# Altium PCB mantarray_beta2_sensor.PcbDoc (part 2 of 5)
Units mm, origin at the board's own origin, x right, y up, seen from the top; angles counter-clockwise.
Board outline 194.65 x 250 mm, 6 copper layers (Top Layer, GND1, Signal1, Int3 (Sign), AVDD, Bottom Layer), stack 1.551 mm thick; 528 components, 0 nets, 3971 pads, 590 vias.
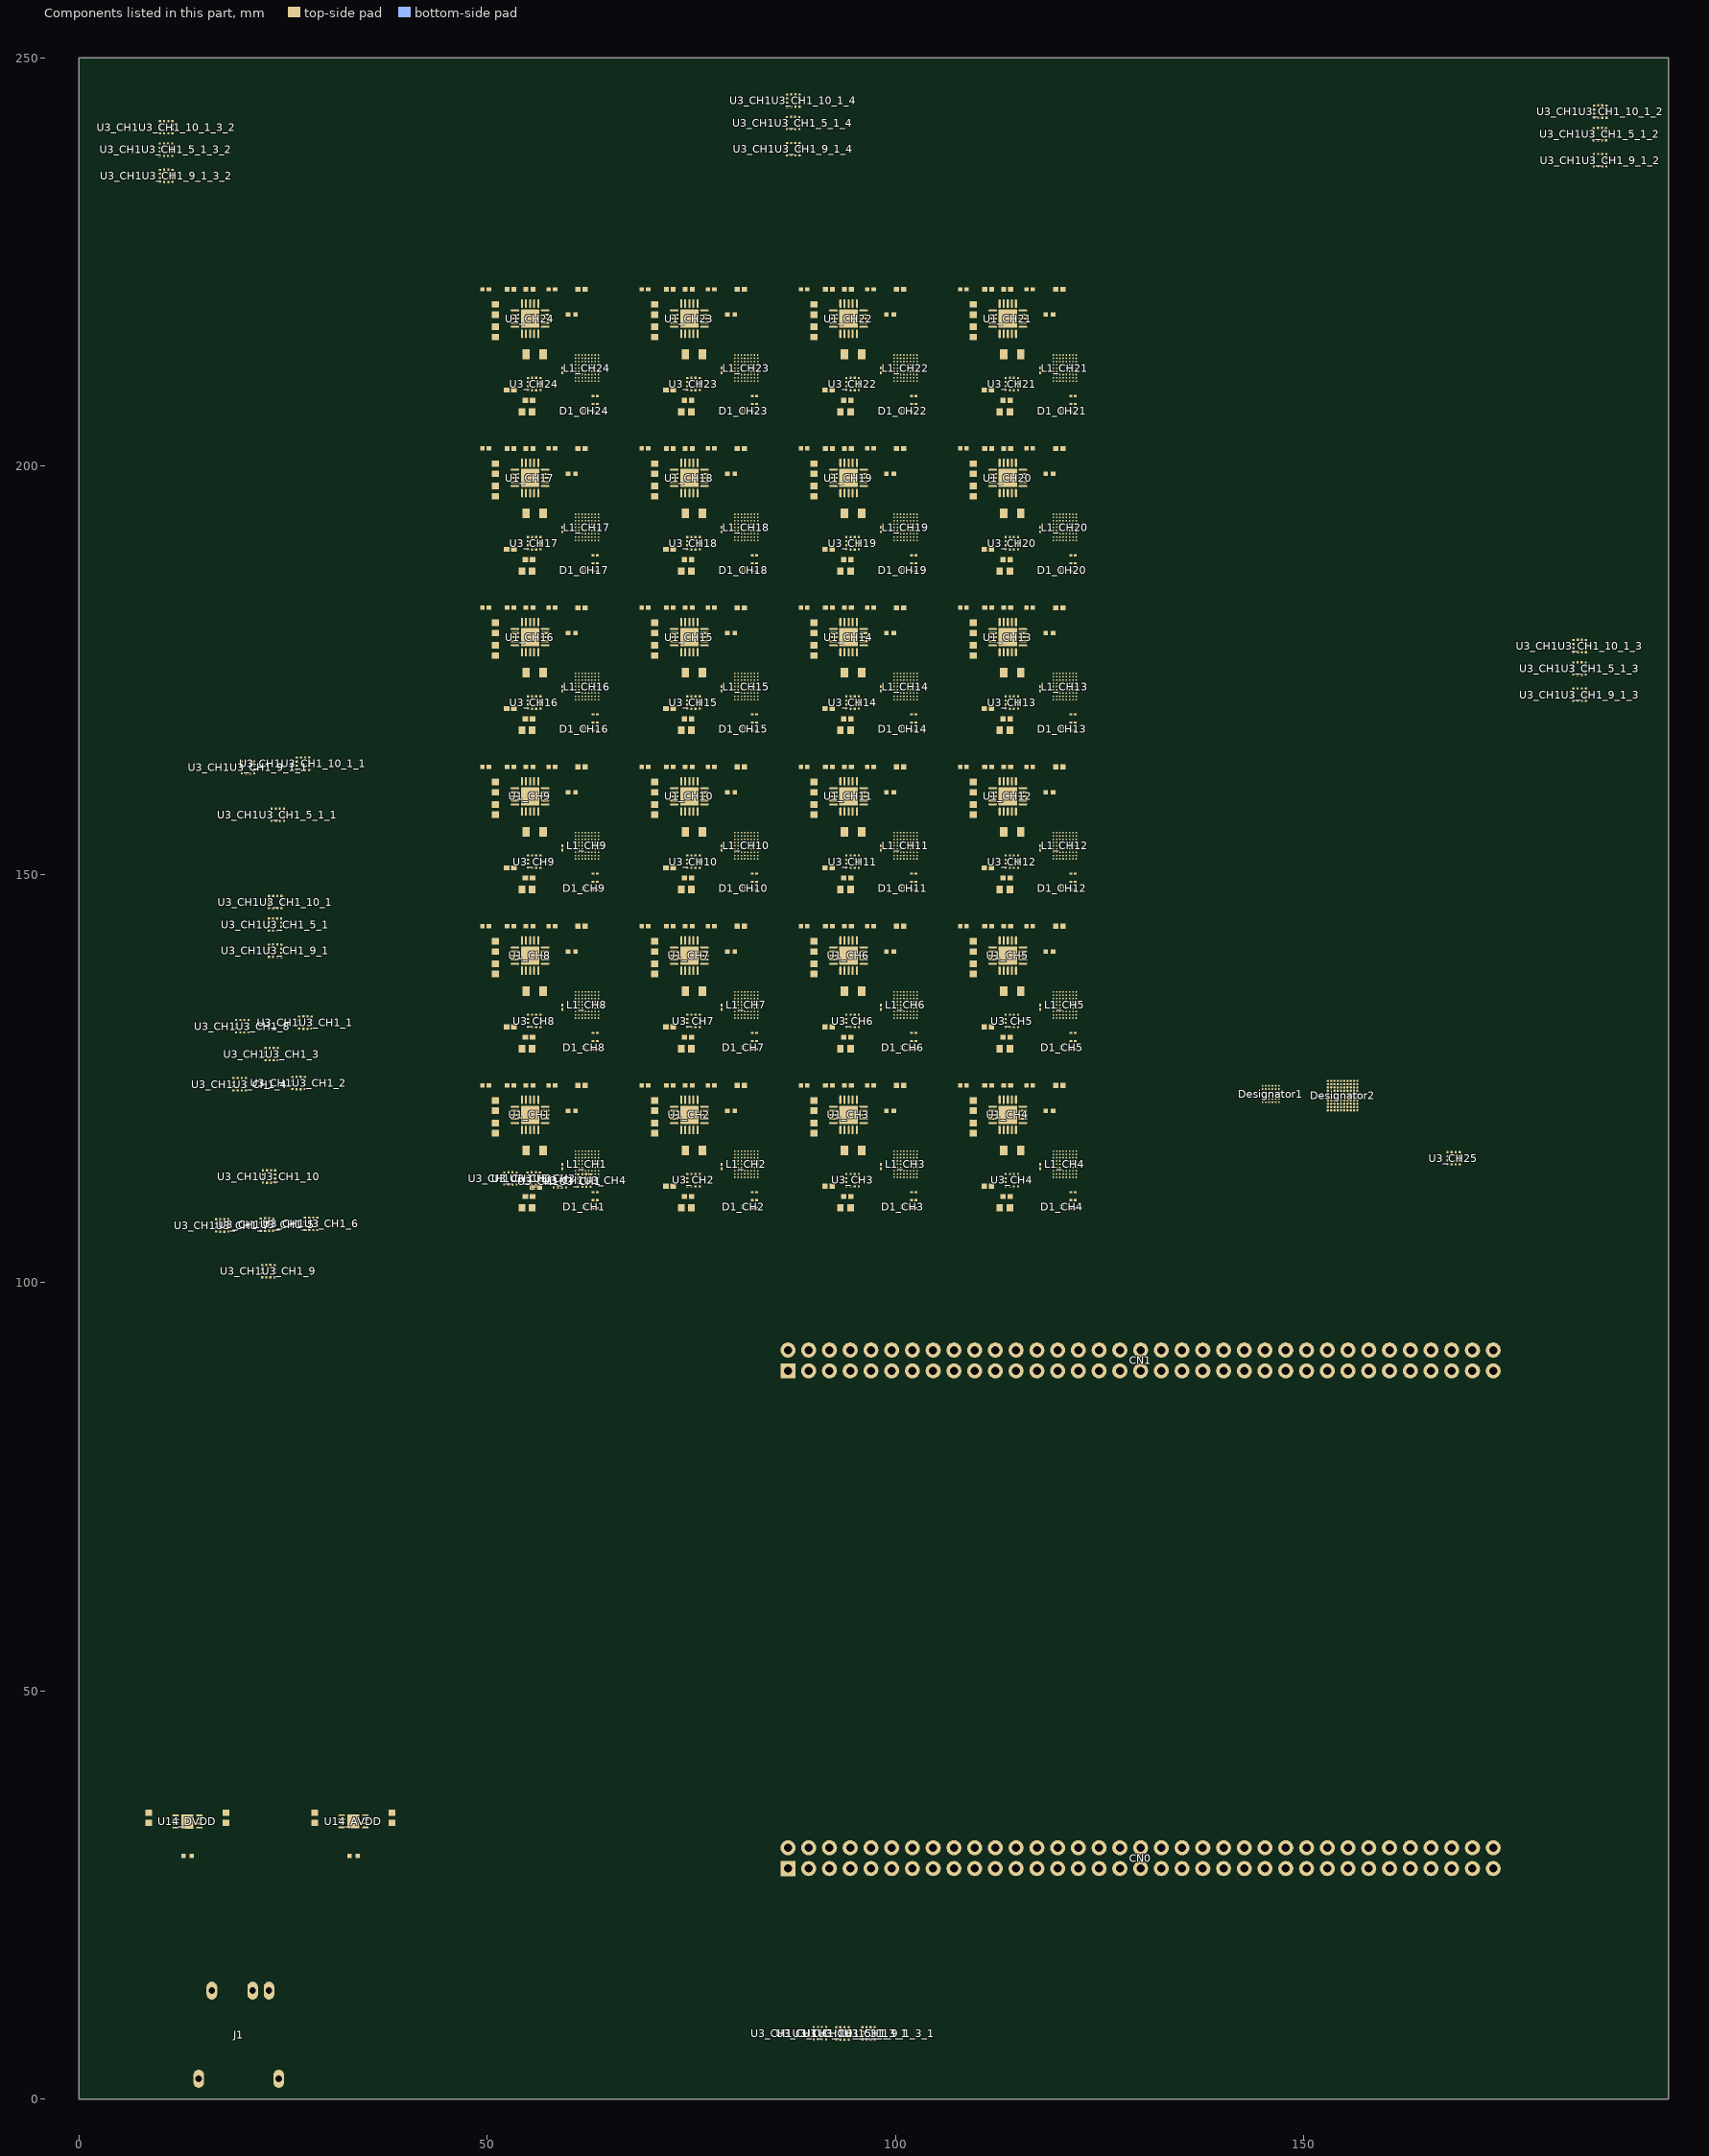
[diagram p5: the components of this part, seen from the top]

## Components (designator, comment, footprint, x,y, rotation, side; value= is the part's Value field where it differs from the comment) (continued)
R5_CH21 "ERJ1GNF1003C" RESC0603X26X15LL03T05 117.7,211.725 r90 top (schematic designator R5)
R5_CH22 "ERJ1GNF1003C" RESC0603X26X15LL03T05 98.2,211.725 r90 top (schematic designator R5)
R5_CH23 "ERJ1GNF1003C" RESC0603X26X15LL03T05 78.7,211.725 r90 top (schematic designator R5)
R5_CH24 "ERJ1GNF1003C" RESC0603X26X15LL03T05 59.2,211.725 r90 top (schematic designator R5)
R7_CH1 "CRCW0201220RFNED" RESC0603X28X15LL05T05 63.225,109.1 r0 top locked (schematic designator R7)
R7_CH2 "CRCW0201220RFNED" RESC0603X28X15LL05T05 82.725,109.1 r0 top (schematic designator R7)
R7_CH3 "CRCW0201220RFNED" RESC0603X28X15LL05T05 102.225,109.1 r0 top (schematic designator R7)
R7_CH4 "CRCW0201220RFNED" RESC0603X28X15LL05T05 121.725,109.1 r0 top (schematic designator R7)
R7_CH5 "CRCW0201220RFNED" RESC0603X28X15LL05T05 121.725,128.6 r0 top (schematic designator R7)
R7_CH6 "CRCW0201220RFNED" RESC0603X28X15LL05T05 102.225,128.6 r0 top (schematic designator R7)
R7_CH7 "CRCW0201220RFNED" RESC0603X28X15LL05T05 82.725,128.6 r0 top (schematic designator R7)
R7_CH8 "CRCW0201220RFNED" RESC0603X28X15LL05T05 63.225,128.6 r0 top (schematic designator R7)
R7_CH9 "CRCW0201220RFNED" RESC0603X28X15LL05T05 63.225,148.1 r0 top (schematic designator R7)
R7_CH10 "CRCW0201220RFNED" RESC0603X28X15LL05T05 82.725,148.1 r0 top (schematic designator R7)
R7_CH11 "CRCW0201220RFNED" RESC0603X28X15LL05T05 102.225,148.1 r0 top (schematic designator R7)
R7_CH12 "CRCW0201220RFNED" RESC0603X28X15LL05T05 121.725,148.1 r0 top (schematic designator R7)
R7_CH13 "CRCW0201220RFNED" RESC0603X28X15LL05T05 121.725,167.6 r0 top (schematic designator R7)
R7_CH14 "CRCW0201220RFNED" RESC0603X28X15LL05T05 102.225,167.6 r0 top (schematic designator R7)
R7_CH15 "CRCW0201220RFNED" RESC0603X28X15LL05T05 82.725,167.6 r0 top (schematic designator R7)
R7_CH16 "CRCW0201220RFNED" RESC0603X28X15LL05T05 63.225,167.6 r0 top (schematic designator R7)
R7_CH17 "CRCW0201220RFNED" RESC0603X28X15LL05T05 63.225,187.1 r0 top (schematic designator R7)
R7_CH18 "CRCW0201220RFNED" RESC0603X28X15LL05T05 82.725,187.1 r0 top (schematic designator R7)
R7_CH19 "CRCW0201220RFNED" RESC0603X28X15LL05T05 102.225,187.1 r0 top (schematic designator R7)
R7_CH20 "CRCW0201220RFNED" RESC0603X28X15LL05T05 121.725,187.1 r0 top (schematic designator R7)
R7_CH21 "CRCW0201220RFNED" RESC0603X28X15LL05T05 121.725,206.6 r0 top (schematic designator R7)
R7_CH22 "CRCW0201220RFNED" RESC0603X28X15LL05T05 102.225,206.6 r0 top (schematic designator R7)
R7_CH23 "CRCW0201220RFNED" RESC0603X28X15LL05T05 82.725,206.6 r0 top (schematic designator R7)
R7_CH24 "CRCW0201220RFNED" RESC0603X28X15LL05T05 63.225,206.6 r0 top (schematic designator R7)
R8_CH1 "CRCW0201100RFKED" RESC0603X28X15LL05T05 63.225,110.1 r0 top locked (schematic designator R8)
R8_CH2 "CRCW0201100RFKED" RESC0603X28X15LL05T05 82.725,110.1 r0 top (schematic designator R8)
R8_CH3 "CRCW0201100RFKED" RESC0603X28X15LL05T05 102.225,110.1 r0 top (schematic designator R8)
R8_CH4 "CRCW0201100RFKED" RESC0603X28X15LL05T05 121.725,110.1 r0 top (schematic designator R8)
R8_CH5 "CRCW0201100RFKED" RESC0603X28X15LL05T05 121.725,129.6 r0 top (schematic designator R8)
R8_CH6 "CRCW0201100RFKED" RESC0603X28X15LL05T05 102.225,129.6 r0 top (schematic designator R8)
R8_CH7 "CRCW0201100RFKED" RESC0603X28X15LL05T05 82.725,129.6 r0 top (schematic designator R8)
R8_CH8 "CRCW0201100RFKED" RESC0603X28X15LL05T05 63.225,129.6 r0 top (schematic designator R8)
R8_CH9 "CRCW0201100RFKED" RESC0603X28X15LL05T05 63.225,149.1 r0 top (schematic designator R8)
R8_CH10 "CRCW0201100RFKED" RESC0603X28X15LL05T05 82.725,149.1 r0 top (schematic designator R8)
R8_CH11 "CRCW0201100RFKED" RESC0603X28X15LL05T05 102.225,149.1 r0 top (schematic designator R8)
R8_CH12 "CRCW0201100RFKED" RESC0603X28X15LL05T05 121.725,149.1 r0 top (schematic designator R8)
R8_CH13 "CRCW0201100RFKED" RESC0603X28X15LL05T05 121.725,168.6 r0 top (schematic designator R8)
R8_CH14 "CRCW0201100RFKED" RESC0603X28X15LL05T05 102.225,168.6 r0 top (schematic designator R8)
R8_CH15 "CRCW0201100RFKED" RESC0603X28X15LL05T05 82.725,168.6 r0 top (schematic designator R8)
R8_CH16 "CRCW0201100RFKED" RESC0603X28X15LL05T05 63.225,168.6 r0 top (schematic designator R8)
R8_CH17 "CRCW0201100RFKED" RESC0603X28X15LL05T05 63.225,188.1 r0 top (schematic designator R8)
R8_CH18 "CRCW0201100RFKED" RESC0603X28X15LL05T05 82.725,188.1 r0 top (schematic designator R8)
R8_CH19 "CRCW0201100RFKED" RESC0603X28X15LL05T05 102.225,188.1 r0 top (schematic designator R8)
R8_CH20 "CRCW0201100RFKED" RESC0603X28X15LL05T05 121.725,188.1 r0 top (schematic designator R8)
R8_CH21 "CRCW0201100RFKED" RESC0603X28X15LL05T05 121.725,207.6 r0 top (schematic designator R8)
R8_CH22 "CRCW0201100RFKED" RESC0603X28X15LL05T05 102.225,207.6 r0 top (schematic designator R8)
R8_CH23 "CRCW0201100RFKED" RESC0603X28X15LL05T05 82.725,207.6 r0 top (schematic designator R8)
R8_CH24 "CRCW0201100RFKED" RESC0603X28X15LL05T05 63.225,207.6 r0 top (schematic designator R8)
R9_CH1 "CRCW0201100RFKED" RESC0603X28X15LL05T05 63.225,111.075 r0 top locked (schematic designator R9)
R9_CH2 "CRCW0201100RFKED" RESC0603X28X15LL05T05 82.725,111.075 r0 top (schematic designator R9)
R9_CH3 "CRCW0201100RFKED" RESC0603X28X15LL05T05 102.225,111.075 r0 top (schematic designator R9)
R9_CH4 "CRCW0201100RFKED" RESC0603X28X15LL05T05 121.725,111.075 r0 top (schematic designator R9)
R9_CH5 "CRCW0201100RFKED" RESC0603X28X15LL05T05 121.725,130.575 r0 top (schematic designator R9)
R9_CH6 "CRCW0201100RFKED" RESC0603X28X15LL05T05 102.225,130.575 r0 top (schematic designator R9)
R9_CH7 "CRCW0201100RFKED" RESC0603X28X15LL05T05 82.725,130.575 r0 top (schematic designator R9)
R9_CH8 "CRCW0201100RFKED" RESC0603X28X15LL05T05 63.225,130.575 r0 top (schematic designator R9)
R9_CH9 "CRCW0201100RFKED" RESC0603X28X15LL05T05 63.225,150.075 r0 top (schematic designator R9)
R9_CH10 "CRCW0201100RFKED" RESC0603X28X15LL05T05 82.725,150.075 r0 top (schematic designator R9)
R9_CH11 "CRCW0201100RFKED" RESC0603X28X15LL05T05 102.225,150.075 r0 top (schematic designator R9)
R9_CH12 "CRCW0201100RFKED" RESC0603X28X15LL05T05 121.725,150.075 r0 top (schematic designator R9)
R9_CH13 "CRCW0201100RFKED" RESC0603X28X15LL05T05 121.725,169.575 r0 top (schematic designator R9)
R9_CH14 "CRCW0201100RFKED" RESC0603X28X15LL05T05 102.225,169.575 r0 top (schematic designator R9)
R9_CH15 "CRCW0201100RFKED" RESC0603X28X15LL05T05 82.725,169.575 r0 top (schematic designator R9)
R9_CH16 "CRCW0201100RFKED" RESC0603X28X15LL05T05 63.225,169.575 r0 top (schematic designator R9)
R9_CH17 "CRCW0201100RFKED" RESC0603X28X15LL05T05 63.225,189.075 r0 top (schematic designator R9)
R9_CH18 "CRCW0201100RFKED" RESC0603X28X15LL05T05 82.725,189.075 r0 top (schematic designator R9)
R9_CH19 "CRCW0201100RFKED" RESC0603X28X15LL05T05 102.225,189.075 r0 top (schematic designator R9)
R9_CH20 "CRCW0201100RFKED" RESC0603X28X15LL05T05 121.725,189.075 r0 top (schematic designator R9)
R9_CH21 "CRCW0201100RFKED" RESC0603X28X15LL05T05 121.725,208.575 r0 top (schematic designator R9)
R9_CH22 "CRCW0201100RFKED" RESC0603X28X15LL05T05 102.225,208.575 r0 top (schematic designator R9)
R9_CH23 "CRCW0201100RFKED" RESC0603X28X15LL05T05 82.725,208.575 r0 top (schematic designator R9)
R9_CH24 "CRCW0201100RFKED" RESC0603X28X15LL05T05 63.225,208.575 r0 top (schematic designator R9)
U1_CH1 "DRV425" QFN50P400X400X80_HS-21N 55.25,120.55 r270 top locked (schematic designator U1)
U1_CH2 "DRV425" QFN50P400X400X80_HS-21N 74.75,120.55 r270 top (schematic designator U1)
U1_CH3 "DRV425" QFN50P400X400X80_HS-21N 94.25,120.55 r270 top (schematic designator U1)
U1_CH4 "DRV425" QFN50P400X400X80_HS-21N 113.75,120.55 r270 top (schematic designator U1)
U1_CH5 "DRV425" QFN50P400X400X80_HS-21N 113.75,140.05 r270 top (schematic designator U1)
U1_CH6 "DRV425" QFN50P400X400X80_HS-21N 94.25,140.05 r270 top (schematic designator U1)
U1_CH7 "DRV425" QFN50P400X400X80_HS-21N 74.75,140.05 r270 top (schematic designator U1)
U1_CH8 "DRV425" QFN50P400X400X80_HS-21N 55.25,140.05 r270 top (schematic designator U1)
U1_CH9 "DRV425" QFN50P400X400X80_HS-21N 55.25,159.55 r270 top (schematic designator U1)
U1_CH10 "DRV425" QFN50P400X400X80_HS-21N 74.75,159.55 r270 top (schematic designator U1)
U1_CH11 "DRV425" QFN50P400X400X80_HS-21N 94.25,159.55 r270 top (schematic designator U1)
U1_CH12 "DRV425" QFN50P400X400X80_HS-21N 113.75,159.55 r270 top (schematic designator U1)
U1_CH13 "DRV425" QFN50P400X400X80_HS-21N 113.75,179.05 r270 top (schematic designator U1)
U1_CH14 "DRV425" QFN50P400X400X80_HS-21N 94.25,179.05 r270 top (schematic designator U1)
U1_CH15 "DRV425" QFN50P400X400X80_HS-21N 74.75,179.05 r270 top (schematic designator U1)
U1_CH16 "DRV425" QFN50P400X400X80_HS-21N 55.25,179.05 r270 top (schematic designator U1)
U1_CH17 "DRV425" QFN50P400X400X80_HS-21N 55.25,198.55 r270 top (schematic designator U1)
U1_CH18 "DRV425" QFN50P400X400X80_HS-21N 74.75,198.55 r270 top (schematic designator U1)
U1_CH19 "DRV425" QFN50P400X400X80_HS-21N 94.25,198.55 r270 top (schematic designator U1)
U1_CH20 "DRV425" QFN50P400X400X80_HS-21N 113.75,198.55 r270 top (schematic designator U1)
U1_CH21 "DRV425" QFN50P400X400X80_HS-21N 113.75,218.05 r270 top (schematic designator U1)
U1_CH22 "DRV425" QFN50P400X400X80_HS-21N 94.25,218.05 r270 top (schematic designator U1)
U1_CH23 "DRV425" QFN50P400X400X80_HS-21N 74.75,218.05 r270 top (schematic designator U1)
U1_CH24 "DRV425" QFN50P400X400X80_HS-21N 55.25,218.05 r270 top (schematic designator U1)
U3_CH1U3_CH1 "LIS3MDLTR" STM-LGA-12 58.899,112.4 r0 top locked (schematic designator U3)
U3_CH1U3_CH1_1 "LIS3MDLTR" STM-LGA-12 27.75,131.85 r0 top (schematic designator U3)
U3_CH1U3_CH1_2 "LIS3MDLTR" STM-LGA-12 26.9,124.437 r0 top (schematic designator U3)
U3_CH1U3_CH1_3 "LIS3MDLTR" STM-LGA-12 23.6,127.987 r0 top (schematic designator U3)
U3_CH1U3_CH1_4 "LIS3MDLTR" STM-LGA-12 19.7,124.287 r0 top (schematic designator U3)
U3_CH1U3_CH1_5 "LIS3MDLTR" STM-LGA-12 23.05,107.1 r0 top (schematic designator U3)
U3_CH1U3_CH1_5_1 "LIS3MDLTR" STM-LGA-12 24.012,143.85 r0 top (schematic designator U3)
U3_CH1U3_CH1_5_1_1 "LIS3MDLTR" STM-LGA-12 24.35,157.3 r0 top (schematic designator U3)
U3_CH1U3_CH1_5_1_2 "LIS3MDLTR" STM-LGA-12 186.263,240.65 r0 top (schematic designator U3)
U3_CH1U3_CH1_5_1_3 "LIS3MDLTR" STM-LGA-12 183.762,175.2 r0 top (schematic designator U3)
U3_CH1U3_CH1_5_1_3_1 "LIS3MDLTR" STM-LGA-12 93.5,8.036 r90 top (schematic designator U3)
U3_CH1U3_CH1_5_1_3_2 "LIS3MDLTR" STM-LGA-12 10.663,238.75 r0 top (schematic designator U3)
U3_CH1U3_CH1_5_1_4 "LIS3MDLTR" STM-LGA-12 87.45,242.012 r0 top (schematic designator U3)
U3_CH1U3_CH1_6 "LIS3MDLTR" STM-LGA-12 28.45,107.2 r0 top (schematic designator U3)
U3_CH1U3_CH1_7 "LIS3MDLTR" STM-LGA-12 17.55,107 r0 top (schematic designator U3)
U3_CH1U3_CH1_8 "LIS3MDLTR" STM-LGA-12 20.012,131.4 r0 top (schematic designator U3)
U3_CH1U3_CH1_9 "LIS3MDLTR" STM-LGA-12 23.2,101.4 r0 top (schematic designator U3)
U3_CH1U3_CH1_9_1 "LIS3MDLTR" STM-LGA-12 24.038,140.65 r0 top (schematic designator U3)
U3_CH1U3_CH1_9_1_1 "LIS3MDLTR" STM-LGA-12 20.712,163.1 r0 top (schematic designator U3)
U3_CH1U3_CH1_9_1_2 "LIS3MDLTR" STM-LGA-12 186.288,237.45 r0 top (schematic designator U3)
U3_CH1U3_CH1_9_1_3 "LIS3MDLTR" STM-LGA-12 183.787,172 r0 top (schematic designator U3)
U3_CH1U3_CH1_9_1_3_1 "LIS3MDLTR" STM-LGA-12 96.7,8.061 r90 top (schematic designator U3)
U3_CH1U3_CH1_9_1_3_2 "LIS3MDLTR" STM-LGA-12 10.688,235.55 r0 top (schematic designator U3)
U3_CH1U3_CH1_9_1_4 "LIS3MDLTR" STM-LGA-12 87.475,238.812 r0 top (schematic designator U3)
U3_CH1U3_CH1_10 "LIS3MDLTR" STM-LGA-12 23.287,113 r0 top (schematic designator U3)
U3_CH1U3_CH1_10_1 "LIS3MDLTR" STM-LGA-12 24.05,146.6 r0 top (schematic designator U3)
U3_CH1U3_CH1_10_1_1 "LIS3MDLTR" STM-LGA-12 27.45,163.55 r0 top (schematic designator U3)
U3_CH1U3_CH1_10_1_2 "LIS3MDLTR" STM-LGA-12 186.3,243.4 r0 top (schematic designator U3)
U3_CH1U3_CH1_10_1_3 "LIS3MDLTR" STM-LGA-12 183.8,177.95 r0 top (schematic designator U3)
U3_CH1U3_CH1_10_1_3_1 "LIS3MDLTR" STM-LGA-12 90.75,8.073 r90 top (schematic designator U3)
U3_CH1U3_CH1_10_1_3_2 "LIS3MDLTR" STM-LGA-12 10.7,241.5 r0 top (schematic designator U3)
U3_CH1U3_CH1_10_1_4 "LIS3MDLTR" STM-LGA-12 87.488,244.763 r0 top (schematic designator U3)
U3_CH1U3_CH2 "LIS3MDLTR" STM-LGA-12 55.699,112.75 r0 top locked (schematic designator U3)
U3_CH1U3_CH3 "LIS3MDLTR" STM-LGA-12 52.849,112.75 r0 top locked (schematic designator U3)
U3_CH1U3_CH4 "LIS3MDLTR" STM-LGA-12 61.899,112.5 r0 top locked (schematic designator U3)
U3_CH2 "LIS3MDLTR" STM-LGA-12 75.249,112.55 r0 top (schematic designator U3)
U3_CH3 "LIS3MDLTR" STM-LGA-12 94.749,112.55 r0 top (schematic designator U3)
U3_CH4 "LIS3MDLTR" STM-LGA-12 114.249,112.55 r0 top (schematic designator U3)
U3_CH5 "LIS3MDLTR" STM-LGA-12 114.249,132.05 r0 top (schematic designator U3)
U3_CH6 "LIS3MDLTR" STM-LGA-12 94.749,132.05 r0 top (schematic designator U3)
U3_CH7 "LIS3MDLTR" STM-LGA-12 75.249,132.05 r0 top (schematic designator U3)
U3_CH8 "LIS3MDLTR" STM-LGA-12 55.749,132.05 r0 top (schematic designator U3)
U3_CH9 "LIS3MDLTR" STM-LGA-12 55.749,151.55 r0 top (schematic designator U3)
U3_CH10 "LIS3MDLTR" STM-LGA-12 75.249,151.55 r0 top (schematic designator U3)
U3_CH11 "LIS3MDLTR" STM-LGA-12 94.749,151.55 r0 top (schematic designator U3)
U3_CH12 "LIS3MDLTR" STM-LGA-12 114.249,151.55 r0 top (schematic designator U3)
U3_CH13 "LIS3MDLTR" STM-LGA-12 114.249,171.05 r0 top (schematic designator U3)
U3_CH14 "LIS3MDLTR" STM-LGA-12 94.749,171.05 r0 top (schematic designator U3)
U3_CH15 "LIS3MDLTR" STM-LGA-12 75.249,171.05 r0 top (schematic designator U3)
U3_CH16 "LIS3MDLTR" STM-LGA-12 55.749,171.05 r0 top (schematic designator U3)
U3_CH17 "LIS3MDLTR" STM-LGA-12 55.749,190.55 r0 top (schematic designator U3)
U3_CH18 "LIS3MDLTR" STM-LGA-12 75.249,190.55 r0 top (schematic designator U3)
U3_CH19 "LIS3MDLTR" STM-LGA-12 94.749,190.55 r0 top (schematic designator U3)
U3_CH20 "LIS3MDLTR" STM-LGA-12 114.249,190.55 r0 top (schematic designator U3)
U3_CH21 "LIS3MDLTR" STM-LGA-12 114.249,210.05 r0 top (schematic designator U3)
U3_CH22 "LIS3MDLTR" STM-LGA-12 94.749,210.05 r0 top (schematic designator U3)
U3_CH23 "LIS3MDLTR" STM-LGA-12 75.249,210.05 r0 top (schematic designator U3)
U3_CH24 "LIS3MDLTR" STM-LGA-12 55.749,210.05 r0 top (schematic designator U3)
U3_CH25 "LIS3MDLTR" STM-LGA-12 168.35,115.237 r0 top (schematic designator U3)
U14_AVDD "ADP1706ACPZ-3.3-R7" ADI-CP-8-2_L 33.625,34.025 r0 top (schematic designator U14)
U14_DVDD "ADP1706ACPZ-3.3-R7" ADI-CP-8-2_L 13.299,34 r0 top (schematic designator U14)

## Footprints (in the part's own frame and the unit in brackets; to place one, negate y for a bottom-side part, rotate by r counter-clockwise, add the part's x,y. Pads: shape width x height; smd on the part's side, far side on the other; paste and mask are expansions set on the pad)
4-SMD [mm] "4-lead package for SMD LED"
  rect 0.2x0.2 smd: 1(-0.175,-0.175) 2(-0.175,0.175) 3(0.175,0.175) 4(0.175,-0.175)
  silkscreen extent -0.65,-0.2 -0.6,-0.15, body extent -0.33,-0.33 0.33,0.33, height 0.2
ADI-CP-8-2_L [mm] "QFN, 8-Leads, Body 3x3mm, Pitch 0.5mm, Thermal Pad 1.45X1.74mm, IPC High Density"
  oval 0.8x0.2 smd: 1(-1.45,0.75) 2(-1.45,0.25) 3(-1.45,-0.25) 4(-1.45,-0.75) 5(1.45,-0.75) 6(1.45,-0.25) 7(1.45,0.25) 8(1.45,0.75)
  rect 1.45x1.74 smd: 9(0,0)
  silkscreen extent -2.55,-1.78 1.78,1.78, body extent -1.63,-1.63 1.63,1.63, height 0.9
CAPC1005X55X25LL05T10 [mm] "Chip Capacitor, 2-Leads, Body 1.00x0.50mm, IPC High Density"
  rect 0.56x0.52 smd: 1(-0.39,0) 2(0.39,0)
  body extent -0.53,-0.28 0.53,0.28, height 0.55
CAPC1005X55X25NL05T10 [mm] "Chip Capacitor, 2-Leads, Body 1.05x0.55mm, IPC Medium Density"
  rect 0.66x0.62 smd: 1(-0.44,0) 2(0.44,0)
  body extent -0.53,-0.28 0.53,0.28, height 0.55
CAPC1608X87X35LL15T15 [mm] "Chip Capacitor, 2-Leads, Body 1.60x0.80mm, IPC High Density"
  rect 0.8x0.9 smd: 1(-0.625,0) 2(0.625,0)
  body extent -0.87,-0.48 0.87,0.48, height 0.87
CAPC1608X90X35LL10T15 [mm] "Chip Capacitor, 2-Leads, Body 1.60x0.80mm, IPC High Density"
  rect 0.75x0.85 smd: 1(-0.625,0) 2(0.625,0)
  body extent -0.85,-0.45 0.85,0.45, height 0.9
CON_SAMTEC_TSW-135-07-X-D [mm] "Header, 35x2, 2,54mm, VR, TH, Height 5.84mm/2.54mm"
  rect 1.85x1.85 / inner round 1.85 / far side rect 1.85x1.85 hole 1 mask+0.05: 1(0,0)
  round 1.85 hole 1 mask+0.05: 2(0,2.54) 3(2.54,0) 4(2.54,2.54) 5(5.08,0) 6(5.08,2.54) 7(7.62,0) 8(7.62,2.54) 9(10.16,0) 10(10.16,2.54) 11(12.7,0) 12(12.7,2.54) 13(15.24,0) 14(15.24,2.54) 15(17.78,0) 16(17.78,2.54) 17(20.32,0) 18(20.32,2.54) 19(22.86,0) 20(22.86,2.54) 21(25.4,0) 22(25.4,2.54) 23(27.94,0) 24(27.94,2.54) 25(30.48,0) 26(30.48,2.54) 27(33.02,0) 28(33.02,2.54) 29(35.56,0) 30(35.56,2.54) 31(38.1,0) 32(38.1,2.54) 33(40.64,0) 34(40.64,2.54) 35(43.18,0) 36(43.18,2.54) 37(45.72,0) 38(45.72,2.54) 39(48.26,0) 40(48.26,2.54) 41(50.8,0) 42(50.8,2.54) 43(53.34,0) 44(53.34,2.54) 45(55.88,0) 46(55.88,2.54) 47(58.42,0) 48(58.42,2.54) 49(60.96,0) 50(60.96,2.54) 51(63.5,0) 52(63.5,2.54) 53(66.04,0) 54(66.04,2.54) 55(68.58,0) 56(68.58,2.54) 57(71.12,0) 58(71.12,2.54) 59(73.66,0) 60(73.66,2.54) 61(76.2,0) 62(76.2,2.54) 63(78.74,0) 64(78.74,2.54) 65(81.28,0) 66(81.28,2.54) 67(83.82,0) 68(83.82,2.54) 69(86.36,0) 70(86.36,2.54)
  silkscreen extent -1.27,-1.27 87.63,3.81, body extent -1.27,-1.27 87.63,3.81, height 8.38
FP-CC0402-MFG [mm]
  rect 0.5x0.5 smd paste+0 mask+0: 1(-0.5,0) 2(0.5,0)
  silkscreen extent -0.53,-0.68 0.53,0.67, body extent -0.87,-0.48 0.87,0.48, height 0.25
FP-RT0805-MFG [mm]
  rect 0.9x1.2 smd paste+0 mask+0: 1(-1.05,0) 2(1.05,0)
  silkscreen extent -0.23,-0.67 0.23,0.67, body extent -1.6,-0.77 1.6,0.77, height 0.25
PJ-001AH-67 [mm]
  oval 2.2x1.3 hole 0.8 slot 1.7 at 0 deg: 1(0,0) 2(0,-7) 3(0,-5) ""(-10.8,-8.2) ""(-10.8,1.6)
  silkscreen extent -13.3,-8.2 -1.6,1.6, body extent -16.65,-8.4 0.65,2.25, height 8.2
QFN50P400X400X80_HS-21N [mm] "QFN, 20-Leads, Body 4.00x4.00mm, Pitch 0.50mm, Thermal Pad 2.25x2.25mm, IPC Medium Density"
  oval 1.05x0.25 smd: 1(-1.85,1) 2(-1.85,0.5) 3(-1.85,0) 4(-1.85,-0.5) 5(-1.85,-1) 11(1.85,-1) 12(1.85,-0.5) 13(1.85,0) 14(1.85,0.5) 15(1.85,1)
  oval 0.25x1.05 smd: 6(-1,-1.85) 7(-0.5,-1.85) 8(0,-1.85) 9(0.5,-1.85) 10(1,-1.85) 16(1,1.85) 17(0.5,1.85) 18(0,1.85) 19(-0.5,1.85) 20(-1,1.85)
  rect 2.25x2.25 smd: 21(0,0)
  silkscreen extent -3,-2.23 2.23,2.22, body extent -2.07,-2.08 2.08,2.07, height 0.8
RESC0603X26X15LL03T05 [mm] "Chip Resistor, 2-Leads, Body 0.60x0.30mm, IPC High Density"
  rect 0.35x0.25 smd: 1(-0.275,0) 2(0.275,0)
  body extent -0.32,-0.16 0.31,0.17, height 0.26
RESC0603X28X15LL05T05 [mm] "Chip Resistor, 2-Leads, Body 0.60x0.30mm, IPC High Density"
  rect 0.35x0.25 smd: 1(-0.275,0) 2(0.275,0)
  body extent -0.33,-0.17 0.32,0.18, height 0.28
RESC1005X40X25NL05T05 [mm] "Chip Resistor, 2-Leads, Body 1.00x0.50mm, IPC Medium Density"
  rect 0.55x0.55 smd: 1(-0.45,0) 2(0.45,0)
  body extent -0.53,-0.27 0.53,0.28, height 0.4
RESC1005X40X25NL05T10 [mm] "Chip Resistor, 2-Leads, Body 1.00x0.50mm, IPC Medium Density"
  rect 0.6x0.55 smd: 1(-0.425,0) 2(0.425,0)
  body extent -0.53,-0.27 0.53,0.28, height 0.4
STM-LGA-12 [mm] "LGA, 12-Leads, Body 2x2mm, Pitch 0.5mm"
  rect 0.275x0.25 smd: 1(-0.763,0.75) 2(-0.763,0.25) 3(-0.763,-0.25) 4(-0.763,-0.75) 7(0.763,-0.75) 8(0.763,-0.25) 9(0.763,0.25) 10(0.763,0.75)
  rect 0.25x0.275 smd: 5(-0.25,-0.762) 6(0.25,-0.762) 11(0.25,0.763) 12(-0.25,0.763)
  silkscreen extent -1.45,1.2 -1.2,1.45, body extent -1,-1 1,1, height 1
STM-WLCSP66 [mm] "BGA, 66-Balls, Body 4.23x3.77mm, Pitch 0.4mm"
  round 0.2 smd: A1(-1.4,1.6) A2(-1,1.6) A3(-0.6,1.6) A4(-0.2,1.6) A5(0.2,1.6) A6(0.6,1.6) A7(1,1.6) A8(1.4,1.6) B1(-1.4,1.2) B2(-1,1.2) B3(-0.6,1.2) B4(-0.2,1.2) B5(0.2,1.2) B6(0.6,1.2) B7(1,1.2) B8(1.4,1.2) C1(-1.4,0.8) C2(-1,0.8) C3(-0.6,0.8) C4(-0.2,0.8) C5(0.2,0.8) C6(0.6,0.8) C7(1,0.8) C8(1.4,0.8) D1(-1.4,0.4) D2(-1,0.4) D3(-0.6,0.4) D6(0.6,0.4) D7(1,0.4) D8(1.4,0.4) E1(-1.4,0) E2(-1,0) E3(-0.6,0) E6(0.6,0) E7(1,0) E8(1.4,0) F1(-1.4,-0.4) F2(-1,-0.4) F3(-0.6,-0.4) F6(0.6,-0.4) F7(1,-0.4) F8(1.4,-0.4) G1(-1.4,-0.8) G2(-1,-0.8) G3(-0.6,-0.8) G4(-0.2,-0.8) G5(0.2,-0.8) G6(0.6,-0.8) G7(1,-0.8) G8(1.4,-0.8) H1(-1.4,-1.2) H2(-1,-1.2) H3(-0.6,-1.2) H4(-0.2,-1.2) H5(0.2,-1.2) H6(0.6,-1.2) H7(1,-1.2) H8(1.4,-1.2) J1(-1.4,-1.6) J2(-1,-1.6) J3(-0.6,-1.6) J4(-0.2,-1.6) J5(0.2,-1.6) J6(0.6,-1.6) J7(1,-1.6) J8(1.4,-1.6)
  silkscreen extent -2.65,-2.12 1.88,2.12, body extent -1.89,-2.11 1.89,2.11, height 0.6
WLCSP36L_DIE417 [mm]
  round 0.224 smd paste-0.112 mask-0.114: A1(-1,1) A2(-0.6,1) A3(-0.2,1) A4(0.2,1) A5(0.6,1) A6(1,1) B1(-1,0.6) B2(-0.6,0.6) B3(-0.2,0.6) B4(0.2,0.6) B5(0.6,0.6) B6(1,0.6) C1(-1,0.2) C2(-0.6,0.2) C3(-0.2,0.2) C4(0.2,0.2) C5(0.6,0.2) C6(1,0.2) D1(-1,-0.2) D2(-0.6,-0.2) D3(-0.2,-0.2) D4(0.2,-0.2) D5(0.6,-0.2) D6(1,-0.2) E1(-1,-0.6) E2(-0.6,-0.6) E3(-0.2,-0.6) E4(0.2,-0.6) E5(0.6,-0.6) E6(1,-0.6) F1(-1,-1) F2(-0.6,-1) F3(-0.2,-1) F4(0.2,-1) F5(0.6,-1) F6(1,-1)
  Keep-Out Layer region: -1.645,-1.645 -1.645,1.645 1.645,1.645 1.645,-1.645
  silkscreen extent -1.57,-1.7 1.57,1.7, body extent 0,0 0.25,0.25, height 0.25
WLCSP100 [mm]
  round 0.28 smd paste+0 mask+0: A1(-1.8,1.8) A2(-1.4,1.8) A3(-1,1.8) A4(-0.6,1.8) A5(-0.2,1.8) A6(0.2,1.8) A7(0.6,1.8) A8(1,1.8) A9(1.4,1.8) A10(1.8,1.8) B1(-1.8,1.4) B2(-1.4,1.4) B3(-1,1.4) B4(-0.6,1.4) B5(-0.2,1.4) B6(0.2,1.4) B7(0.6,1.4) B8(1,1.4) B9(1.4,1.4) B10(1.8,1.4) C1(-1.8,1) C2(-1.4,1) C3(-1,1) C4(-0.6,1) C5(-0.2,1) C6(0.2,1) C7(0.6,1) C8(1,1) C9(1.4,1) C10(1.8,1) D1(-1.8,0.6) D2(-1.4,0.6) D3(-1,0.6) D4(-0.6,0.6) D5(-0.2,0.6) D6(0.2,0.6) D7(0.6,0.6) D8(1,0.6) D9(1.4,0.6) D10(1.8,0.6) E1(-1.8,0.2) E2(-1.4,0.2) E3(-1,0.2) E4(-0.6,0.2) E5(-0.2,0.2) E6(0.2,0.2) E7(0.6,0.2) E8(1,0.2) E9(1.4,0.2) E10(1.8,0.2) F1(-1.8,-0.2) F2(-1.4,-0.2) F3(-1,-0.2) F4(-0.6,-0.2) F5(-0.2,-0.2) F6(0.2,-0.2) F7(0.6,-0.2) F8(1,-0.2) F9(1.4,-0.2) F10(1.8,-0.2) G1(-1.8,-0.6) G2(-1.4,-0.6) G3(-1,-0.6) G4(-0.6,-0.6) G5(-0.2,-0.6) G6(0.2,-0.6) G7(0.6,-0.6) G8(1,-0.6) G9(1.4,-0.6) G10(1.8,-0.6) H1(-1.8,-1) H2(-1.4,-1) H3(-1,-1) H4(-0.6,-1) H5(-0.2,-1) H6(0.2,-1) H7(0.6,-1) H8(1,-1) H9(1.4,-1) H10(1.8,-1) J1(-1.8,-1.4) J2(-1.4,-1.4) J3(-1,-1.4) J4(-0.6,-1.4) J5(-0.2,-1.4) J6(0.2,-1.4) J7(0.6,-1.4) J8(1,-1.4) J9(1.4,-1.4) J10(1.8,-1.4) K1(-1.8,-1.8) K2(-1.4,-1.8) K3(-1,-1.8) K4(-0.6,-1.8) K5(-0.2,-1.8) K6(0.2,-1.8) K7(0.6,-1.8) K8(1,-1.8) K9(1.4,-1.8) K10(1.8,-1.8)
  Keep-Out Layer region: -2.445,-2.445 -2.445,2.445 2.445,2.445 2.445,-2.445
  silkscreen extent -2.58,-2.22 2.58,2.22, body extent 0,0 0.25,0.25, height 0.25

## Part data
C1_CH1 C1_CH2 C1_CH3 C1_CH4 C1_CH5 C1_CH6 C1_CH7 C1_CH8 C1_CH9 C1_CH10 C1_CH11 C1_CH12 C1_CH13 C1_CH14 C1_CH15 C1_CH16 C1_CH17 C1_CH18 C1_CH19 C1_CH20 C1_CH21 C1_CH22 C1_CH23 C1_CH24 C3_CH1 C3_CH2 C3_CH3 C3_CH4 C3_CH5 C3_CH6 C3_CH7 C3_CH8 C3_CH9 C3_CH10 C3_CH11 C3_CH12 C3_CH13 C3_CH14 C3_CH15 C3_CH16 C3_CH17 C3_CH18 C3_CH19 C3_CH20 C3_CH21 C3_CH22 C3_CH23 C3_CH24: library part CMP-2008-04598-1, Manufacturer=Murata, Part Number=GRM155R71C103KA01J
C2_CH1 C2_CH2 C2_CH3 C2_CH4 C2_CH5 C2_CH6 C2_CH7 C2_CH8 C2_CH9 C2_CH10 C2_CH11 C2_CH12 C2_CH13 C2_CH14 C2_CH15 C2_CH16 C2_CH17 C2_CH18 C2_CH19 C2_CH20 C2_CH21 C2_CH22 C2_CH23 C2_CH24 C7_CH1 C7_CH2 C7_CH3 C7_CH4 C7_CH5 C7_CH6 C7_CH7 C7_CH8 C7_CH9 C7_CH10 C7_CH11 C7_CH12 C7_CH13 C7_CH14 C7_CH15 C7_CH16 C7_CH17 C7_CH18 C7_CH19 C7_CH20 C7_CH21 C7_CH22 C7_CH23 C7_CH24 C8_CH1 C8_CH2 C8_CH3 C8_CH4 C8_CH5 C8_CH6 C8_CH7 C8_CH8 C8_CH9 C8_CH10 C8_CH11 C8_CH12 C8_CH13 C8_CH14 C8_CH15 C8_CH16 C8_CH17 C8_CH18 C8_CH19 C8_CH20 C8_CH21 C8_CH22 C8_CH23 C8_CH24: library part CMP-2100-03641-1, "Chip Capacitor, 0.1 uF, +/- 10%, 16 V, -55 to 125 degC, 0402 (1005 Metric), RoHS, Tape and Reel", Capacitance=100nF, Case Code (Imperial)=0402, Case Code (Metric)=1005, Dielectric=X7R, Dielectric Material=Ceramic, Insulation Resistance=10GR, Manufacturer=Murata, Max Operating Temperature=125degC, Min Operating Temperature=-55degC, Package Description="2-Pin Surface Mount Device, Body 1 x 0.5 mm", Package Quantity=1, Tolerance=10%, Voltage=16V, Case/Package=0402, Datasheet URL=http://psearch.en.murata.com/capacitor/product/GRM155R71C104KA88%23.pdf, Datasheet Version=42675.0, Depth=0.5mm, Height=0.5mm, Lead Free=LeadFree, Length=1mm, Manufacturer URL=http://www.murata.com/, Material=Ceramic, Mount=SurfaceMount, Number of Pins=2, Package Reference=0402, Packaging=TapeandReel, Radiation Hardening=No, REACH SVHC=NoSVHC, RoHSCompliant=true, Termination=SMD/SMT, Thickness=0.022inch, Voltage Rating=16V, Voltage Rating (DC)=16V, Width=0.5mm
C4_CH1 C4_CH2 C4_CH3 C4_CH4 C4_CH5 C4_CH6 C4_CH7 C4_CH8 C4_CH9 C4_CH10 C4_CH11 C4_CH12 C4_CH13 C4_CH14 C4_CH15 C4_CH16 C4_CH17 C4_CH18 C4_CH19 C4_CH20 C4_CH21 C4_CH22 C4_CH23 C4_CH24 C5_CH1 C5_CH2 C5_CH3 C5_CH4 C5_CH5 C5_CH6 C5_CH7 C5_CH8 C5_CH9 C5_CH10 C5_CH11 C5_CH12 C5_CH13 C5_CH14 C5_CH15 C5_CH16 C5_CH17 C5_CH18 C5_CH19 C5_CH20 C5_CH21 C5_CH22 C5_CH23 C5_CH24 C6_CH1 C6_CH2 C6_CH3 C6_CH4 C6_CH5 C6_CH6 C6_CH7 C6_CH8 C6_CH9 C6_CH10 C6_CH11 C6_CH12 C6_CH13 C6_CH14 C6_CH15 C6_CH16 C6_CH17 C6_CH18 C6_CH19 C6_CH20 C6_CH21 C6_CH22 C6_CH23 C6_CH24: library part CMP-2006-03713-1, Manufacturer=Kemet, Part Number=C0603C105K3RACTU
C71_AVDD C71_DVDD C72_AVDD C72_DVDD: library part CMP-2006-02523-1, Manufacturer=Murata, Part Number=GRM188R61E475KE11D
C73_AVDD C73_DVDD: library part CMP-03422-000501-1, "CAP CER 10000PF 16V X7R 0402", Capacitance="10 nF", Manufacturer=YAGEO, Package=CC0402, Temperature="-55°C to +125°C", Temperature Characteristic=X7R, Temperature Coefficient=30ppm/°C, Temperature Range High=+125°C, Temperature Range Low=-55°C, Tolerance=0.1, Voltage Rating="16 V", Automotive=No, Automotive Grade=NA, Category=Cap, ComponentLink2Description=Datasheet, ComponentLink2URL=http://www.yageo.com/documents/recent/UPY-GP_NP0_16V-to-50V_16.pdf, Device Class L1="Passive Components", Device Class L2=Capacitors, Device Class L3="Ceramic Capacitors", Digikey Description="CAP CER 10000PF 16V X7R 0402", Footprint Url=http://www.yageo.com/exep/pages/download/literatures/UPY-C_GEN_24.pdf, Height=0.55mm, Ipc Land Pattern Name=CAPC10050X50, Lead Free=Yes, Manufacturer Part Number=CC0402KRX7R7BB103, Material=Ceramic, Mouser Description="0402 10 nF 16 V ±10 % Tolerance X7R SMT Multilayer Ceramic Capacitor", Octopart=https://octopart.com/cc0402krx7r7bb103-yageo-192895, RoHS=TRUE
CN0 CN1: library part MCD-01210, "Header, 35x2, 2,54mm, VR, TH, Height 5.84mm/2.54mm"
D1_CH1 D1_CH2 D1_CH3 D1_CH4 D1_CH5 D1_CH6 D1_CH7 D1_CH8 D1_CH9 D1_CH10 D1_CH11 D1_CH12 D1_CH13 D1_CH14 D1_CH15 D1_CH16 D1_CH17 D1_CH18 D1_CH19 D1_CH20 D1_CH21 D1_CH22 D1_CH23 D1_CH24: "0.65x0.65x0.20mm (0202) Full-Color Surface Mount LED"
J1: "IP67 waterproof DC Power Jack"
L1_CH1 L1_CH2 L1_CH3 L1_CH4 L1_CH5 L1_CH6 L1_CH7 L1_CH8 L1_CH9 L1_CH10 L1_CH11 L1_CH12 L1_CH13 L1_CH14 L1_CH15 L1_CH16 L1_CH17 L1_CH18 L1_CH19 L1_CH20 L1_CH21 L1_CH22 L1_CH23 L1_CH24: library part CMP-0537-00090-1, "ARM Cortex-M4 32-bit MCU, 256 KB Flash, 32 KB Internal RAM, 52 I/Os, 66-Pin WLCSP, -40 to 85 degC, Tape and Reel", I/Os (High Current)=52, Operating Frequency(F) (Processor speed) (MHz)=72, Package Description="66-Ball Wafer Level Chip Size package, 3.767 x 4.229 mm Body, 0.4 mm Pitch", Package Reference=WLCSP66, Supply Voltage(Vcc) min (V)=1.65, ComponentLink1Description="Manufacturer URL", ComponentLink1URL=http://www.st.com/, ComponentLink2Description=Datasheet, ComponentLink2URL=http://www.st.com/st-web-ui/static/active/en/resource/technical/document/datasheet/DM00101621.pdf, Core="ARM Cortex-M4", D/A Converter=3, DatasheetVersion="Rev. 4", FLASH Size (Prog) (kB)=256, Internal RAM Size (kB)=32, Mounting Technology="Surface Mount", Packing="Tape and Reel"
R1_CH1 R1_CH2 R1_CH3 R1_CH4 R1_CH5 R1_CH6 R1_CH7 R1_CH8 R1_CH9 R1_CH10 R1_CH11 R1_CH12 R1_CH13 R1_CH14 R1_CH15 R1_CH16 R1_CH17 R1_CH18 R1_CH19 R1_CH20 R1_CH21 R1_CH22 R1_CH23 R1_CH24 R2_CH1 R2_CH2 R2_CH3 R2_CH4 R2_CH5 R2_CH6 R2_CH7 R2_CH8 R2_CH9 R2_CH10 R2_CH11 R2_CH12 R2_CH13 R2_CH14 R2_CH15 R2_CH16 R2_CH17 R2_CH18 R2_CH19 R2_CH20 R2_CH21 R2_CH22 R2_CH23 R2_CH24: library part CMP-2002-07472-1, Manufacturer="Yageo / Phycomp", Part Number=RC0402FR-071KL
R3_CH1 R3_CH2 R3_CH3 R3_CH4 R3_CH5 R3_CH6 R3_CH7 R3_CH8 R3_CH9 R3_CH10 R3_CH11 R3_CH12 R3_CH13 R3_CH14 R3_CH15 R3_CH16 R3_CH17 R3_CH18 R3_CH19 R3_CH20 R3_CH21 R3_CH22 R3_CH23 R3_CH24: library part CMP-03412-022079-1, "RES SMD 22 OHM 0.1% 1/8W 0805", Manufacturer=Yageo, Package=RT0805, Power Rating=0.125W, Resistance=22Ω, Temperature="-55°C to +155°C", Temperature Coefficient="25 ppm/°C", Temperature Range High=+155°C, Temperature Range Low=-55°C, Tolerance=0.0025, Voltage Rating=150V, Automotive=No, Category=Res, ComponentLink2Description=Datasheet, ComponentLink2URL=http://www.yageo.com/documents/recent/PYu-RT_1-to-0.01_RoHS_L_9.pdf, Composition="Thin Film", Device Class L1="Passive Components", Device Class L2=Resistors, Device Class L3="Chip SMD Resistors", Digikey Description="RES SMD 22 OHM 0.1% 1/8W 0805", Footprint Url=http://www.yageo.com/exep/pages/download/literatures/PYu-R_Mount_10.pdf, Height=0.6mm, Ipc Land Pattern Name=RESC200125X50, Lead Free=Yes, Manufacturer Part Number=RT0805BRD0722RL, Mouser Description="Thin Film Resistors - SMD 1/8W 22 ohm .1% 25ppm", Octopart=https://octopart.com/rt0805brd0722rl-yageo-1436111, RoHS=TRUE, Series=RT
R4_CH1 R4_CH2 R4_CH3 R4_CH4 R4_CH5 R4_CH6 R4_CH7 R4_CH8 R4_CH9 R4_CH10 R4_CH11 R4_CH12 R4_CH13 R4_CH14 R4_CH15 R4_CH16 R4_CH17 R4_CH18 R4_CH19 R4_CH20 R4_CH21 R4_CH22 R4_CH23 R4_CH24: library part CMP-2002-08135-1, Manufacturer="Vishay Dale", Part Number=CRCW040210K0FKED
R5_CH1 R5_CH2 R5_CH3 R5_CH4 R5_CH5 R5_CH6 R5_CH7 R5_CH8 R5_CH9 R5_CH10 R5_CH11 R5_CH12 R5_CH13 R5_CH14 R5_CH15 R5_CH16 R5_CH17 R5_CH18 R5_CH19 R5_CH20 R5_CH21 R5_CH22 R5_CH23 R5_CH24: library part CMP-2004-03446-1, Manufacturer=Panasonic, Part Number=ERJ1GNF1003C
R7_CH1 R7_CH2 R7_CH3 R7_CH4 R7_CH5 R7_CH6 R7_CH7 R7_CH8 R7_CH9 R7_CH10 R7_CH11 R7_CH12 R7_CH13 R7_CH14 R7_CH15 R7_CH16 R7_CH17 R7_CH18 R7_CH19 R7_CH20 R7_CH21 R7_CH22 R7_CH23 R7_CH24: library part CMP-2004-00311-1, Manufacturer="Vishay Dale", Part Number=CRCW0201220RFNED
R8_CH1 R8_CH2 R8_CH3 R8_CH4 R8_CH5 R8_CH6 R8_CH7 R8_CH8 R8_CH9 R8_CH10 R8_CH11 R8_CH12 R8_CH13 R8_CH14 R8_CH15 R8_CH16 R8_CH17 R8_CH18 R8_CH19 R8_CH20 R8_CH21 R8_CH22 R8_CH23 R8_CH24 R9_CH1 R9_CH2 R9_CH3 R9_CH4 R9_CH5 R9_CH6 R9_CH7 R9_CH8 R9_CH9 R9_CH10 R9_CH11 R9_CH12 R9_CH13 R9_CH14 R9_CH15 R9_CH16 R9_CH17 R9_CH18 R9_CH19 R9_CH20 R9_CH21 R9_CH22 R9_CH23 R9_CH24: library part CMP-2004-00005-1, Manufacturer=Vishay, Part Number=CRCW0201100RFKED
U1_CH1 U1_CH2 U1_CH3 U1_CH4 U1_CH5 U1_CH6 U1_CH7 U1_CH8 U1_CH9 U1_CH10 U1_CH11 U1_CH12 U1_CH13 U1_CH14 U1_CH15 U1_CH16 U1_CH17 U1_CH18 U1_CH19 U1_CH20 U1_CH21 U1_CH22 U1_CH23 U1_CH24: "Texas Instruments Fluxgate Magnetic-Field Sensor"
U3_CH1U3_CH1 U3_CH1U3_CH1_1 U3_CH1U3_CH1_2 U3_CH1U3_CH1_3 U3_CH1U3_CH1_4 U3_CH1U3_CH1_5 U3_CH1U3_CH1_5_1 U3_CH1U3_CH1_5_1_1 U3_CH1U3_CH1_5_1_2 U3_CH1U3_CH1_5_1_3 U3_CH1U3_CH1_5_1_3_1 U3_CH1U3_CH1_5_1_3_2 U3_CH1U3_CH1_5_1_4 U3_CH1U3_CH1_6 U3_CH1U3_CH1_7 U3_CH1U3_CH1_8 U3_CH1U3_CH1_9 U3_CH1U3_CH1_9_1 U3_CH1U3_CH1_9_1_1 U3_CH1U3_CH1_9_1_2 U3_CH1U3_CH1_9_1_3 U3_CH1U3_CH1_9_1_3_1 U3_CH1U3_CH1_9_1_3_2 U3_CH1U3_CH1_9_1_4 U3_CH1U3_CH1_10 U3_CH1U3_CH1_10_1 U3_CH1U3_CH1_10_1_1 U3_CH1U3_CH1_10_1_2 U3_CH1U3_CH1_10_1_3 U3_CH1U3_CH1_10_1_3_1 U3_CH1U3_CH1_10_1_3_2 U3_CH1U3_CH1_10_1_4 U3_CH1U3_CH2 U3_CH1U3_CH3 U3_CH1U3_CH4 U3_CH2 U3_CH3 U3_CH4 U3_CH5 U3_CH6 U3_CH7 U3_CH8 U3_CH9 U3_CH10 U3_CH11 U3_CH12 U3_CH13 U3_CH14 U3_CH15 U3_CH16 U3_CH17 U3_CH18 U3_CH19 U3_CH20 U3_CH21 U3_CH22 U3_CH23 U3_CH24 U3_CH25: library part CMP-2000-07463-1, "Digital Output Magnetic Sensor: Ultra-Low-Power, High-Performance 3-Axis Magnetometer, 1.9 to 3.6 V, -40 to 85 degC, 12-Pin LGA, RoHS, Tape and Reel", Case\/Package=Module, Manufacturer=STMicroelectronics, Max Operating Temperature=85degC, Max Supply Current=270uA, Max Supply Voltage=3.6V, Min Operating Temperature=-40degC, Min Supply Voltage=1.9V, Package Description="12-Pin Land Grid Array Package, Body 2 x 2 mm, Pitch 0.5 mm", Package Quantity=8000, Package Reference=LGA-12, Contact Plating=Gold, Datasheet URL=http://www.st.com/content/ccc/resource/technical/document/datasheet/54/2a/85/76/e3/97/42/18/DM00075867.pdf/files/DM00075867.pdf/jcr:content/translations/en.DM00075867.pdf, Datasheet Version="Rev. 6, 05/2017", Lead Free=LeadFree, Manufacturer URL=http://www.st.com/, Mount=SurfaceMount, Mounting Technology=SurfaceMount, Number of Pins=12, Packaging=TapeandReel, Radiation Hardening=No, REACH SVHC=NoSVHC, Resolution=16b, RoHSCompliant=true
U14_AVDD U14_DVDD: library part CMP-0786-00090-1, "1 A, Low Dropout, CMOS Linear Regulator, 2.5 to 5.5 V Vin, 3.3 V Vout, Industrial, 8-pin QFN (CP-8-2), Reel", Manufacturer="Analog Devices", Preset Vout Values (V)=3.3, Supply Current IGND @ Small Load=50uA, ComponentLink1Description="Manufacturer URL", ComponentLink1URL=http://www.analog.com/en/index.html, ComponentLink2Description=Datasheet, ComponentLink2URL=http://www.analog.com/static/imported-files/data_sheets/ADP1706_1707_1708.pdf, ComponentLink3Description="Package Specification", ComponentLink3URL=http://www.analog.com/static/imported-files/packages/56953322593982CP_8_2.pdf, ComponentLink4Description="URL Link1", ComponentLink4URL="Product URL:http://www.analog.com/en/ADP1706/productSearch.html", DatasheetVersion="Rev. 0", Iout max=1A, Mounting Technology="Surface Mount", PackageDescription="8-Pin Lead Frame Chip Scale Package, Body 3 x 3 mm, Pitch 0.5 mm", PackageReference=CP-8-2, PackageVersion="061507-B, 06/2007", Packing=Reel, partnumber=ADP1706ACPZ-3.3-R7, Vin (max) (V)=5.5, Vin (min) (V)=2.5

## Via types
v1: diameter 0.508, hole 0.203, Top Layer to Bottom Layer, 292 vias
v2: diameter 0.457, hole 0.152, Top Layer to Bottom Layer, 196 vias
v3: diameter 0.5, hole 0.2, Top Layer to Bottom Layer, 100 vias
v4: diameter 1.8, hole 1.2, Top Layer to Bottom Layer, 2 vias